# Altium PCB C210.PcbDoc (part 3 of 8)
Units mm, origin at the board's own origin, x right, y up, seen from the top; angles counter-clockwise.
Board outline 68 x 129.25 mm, 6 copper layers (L1, L2, L3, L4, L5, L6), stack 1.547 mm thick; 512 components, 298 nets, 1774 pads, 1892 vias.
Unrouted connection lines stored in the file: 306.
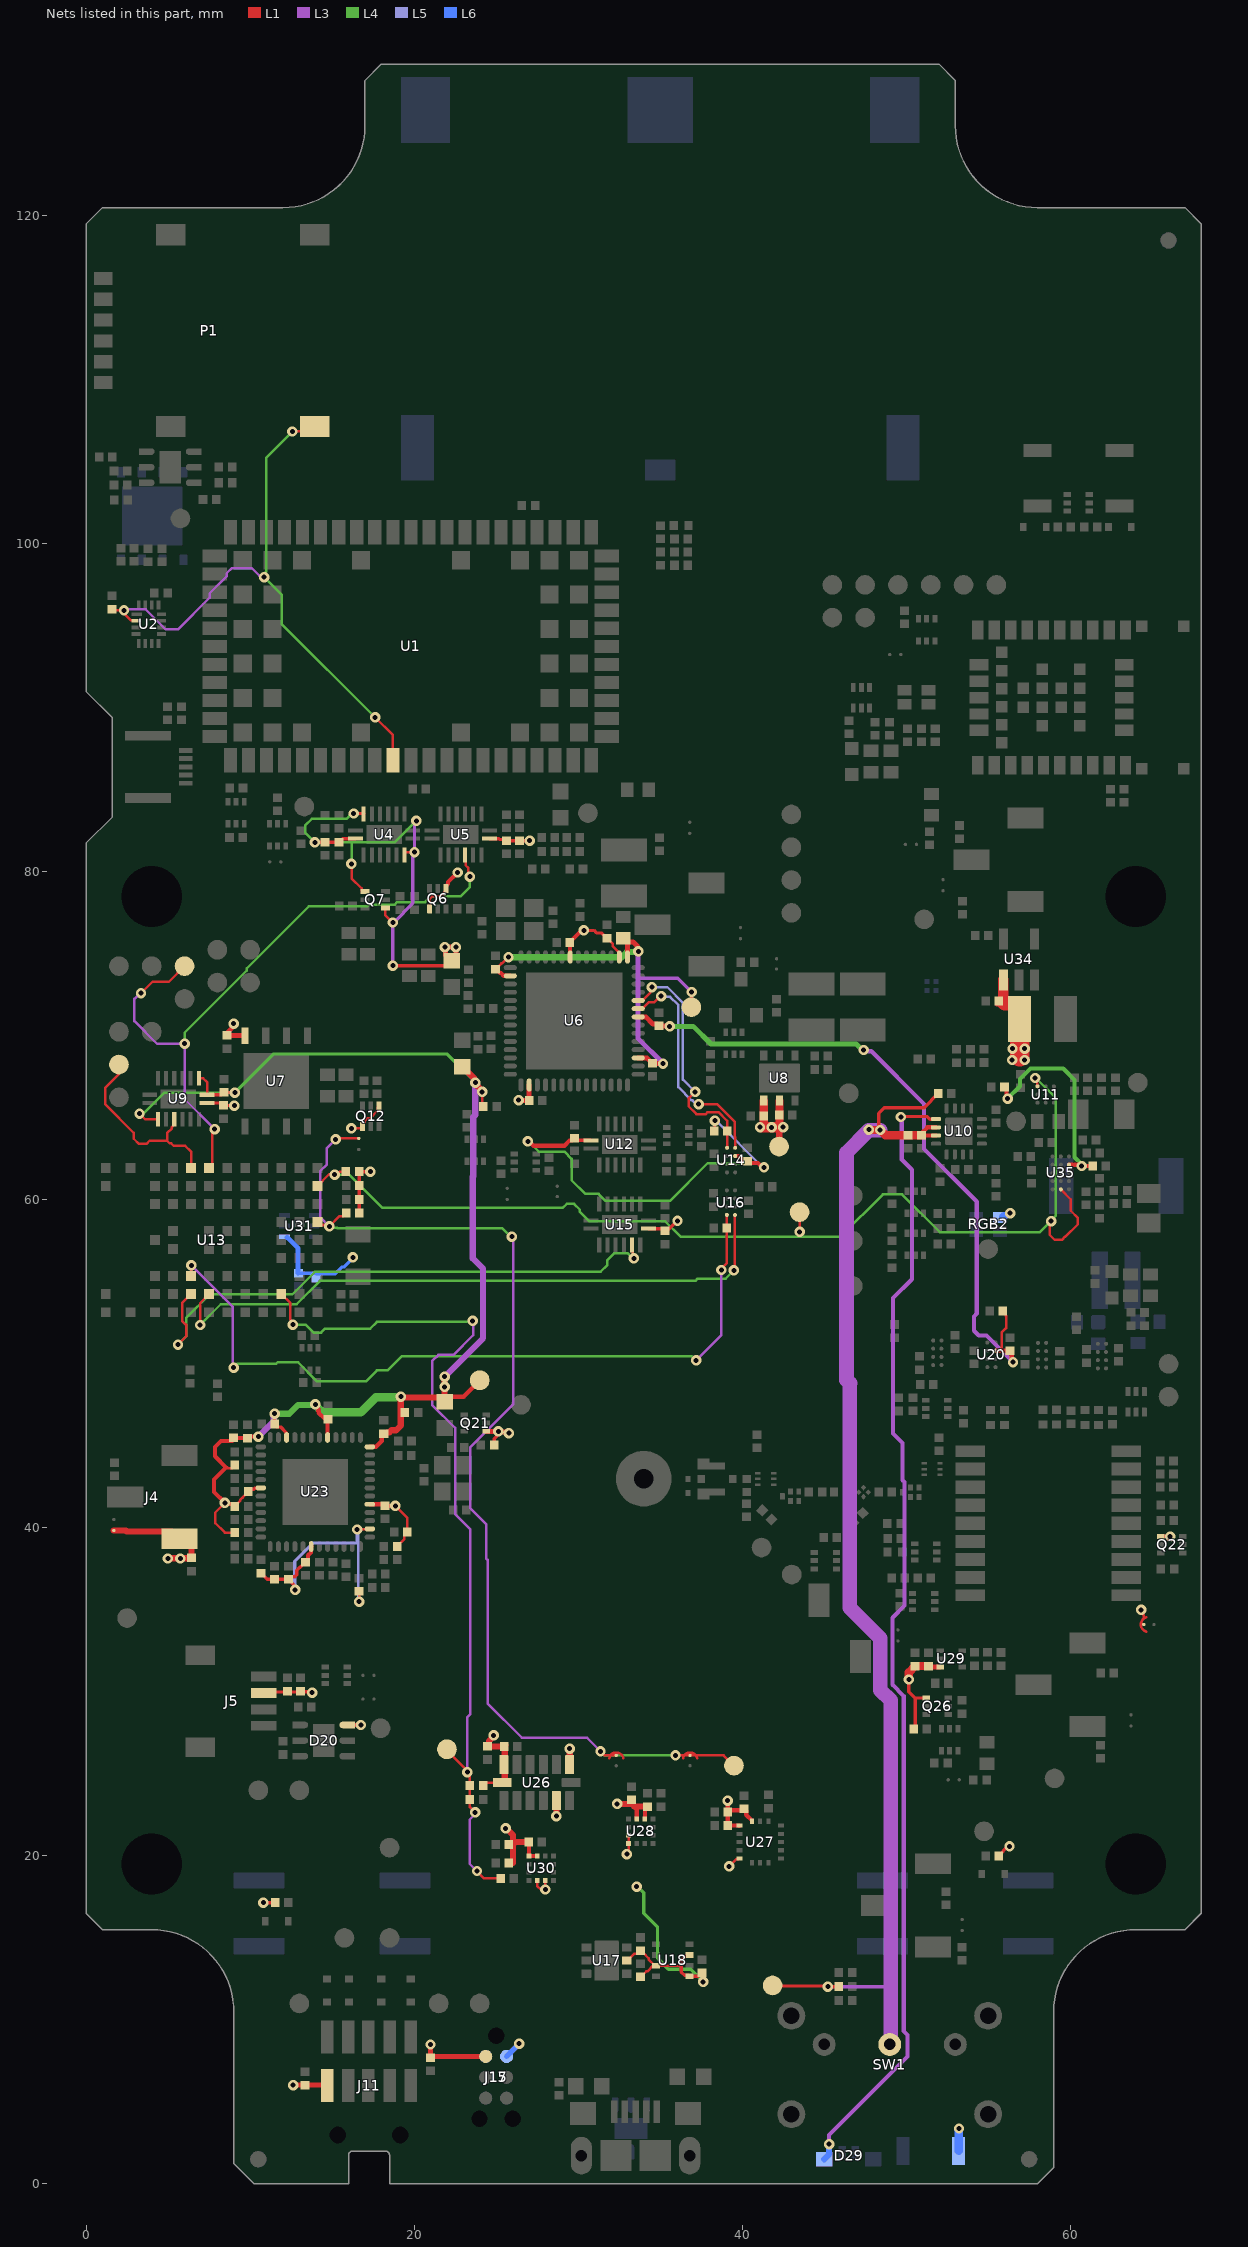
[diagram p7: the nets of this part, all layers, seen from the top]

## Part data (continued)
U28: "SENSOR, MAGNETOMETER, I2C, 3-AXIS, 1.9-3.6V, SMT, LGA-12, 2mmX2mm", Current=None, Manufacturer 1="ST Micro", Max Operating Temp=85, MFG Package=LGA-12, Min Operating Temp=-40, Voltage=1.9-3.6V, Body Size="2mm x 2mm", Height=1mm, Item Phase="In Production", Manufacturer Part Number 1=LIS3MDL, Part Name=LIS3MDL, Part Number=LIS3MDL, Pins=12, Revision=0A, UBX Code=None, Use in new designs=Yes
U29: "LDO, 3.0V, 200mA, SOT-5", Current=200mA, Manufacturer 1="Toshiba Semiconductor and Storage", Manufacturer 2=None, Manufacturer Part Number 1=TCR2LE30,LM(CT, Max Operating Temp=85, MFG Package=SOT-553, Min Operating Temp=-40, Part Name=TCR2LE30, Supplier Part Number 1=TCR2LE30LM(CTCT-ND, Voltage=6.0V, Body Size="2.9mm x 1.6mm", Height=1.3mm, Item Phase=Unreleased, Manufacturer Part Number 2=None, Part Number=260-00027, Pins=5, Reg Outputs=1xLDO, Revision=None, SMT Pitch=None, Supplier 1=Digi-Key, Supplier 2=None, Supplier Part Number 2=None, Thermal Pad=No, UBX Code=None, Use in new designs=Yes
U30: "Accelerometer, 2G-16G Max, 12bit, LGA-12", Manufacturer=STMicroelectronics, Manufacturer P/N=LIS2DH12TR, MFG Package="12-LGA (2x2)", Package Type=LGA, Part Name=LIS2DH12, Supplier Part Number 1=497-14851-1-ND, Voltage=3.6V, Accuracy=1mg/digit, Arena Link=https://app.bom.com/a/I0JRX4N4N65KM89I?v=spec.summary, Bit Resolution=12, Body Size="2mm x 2mm", Component Mounting Type=SMT, Controller Interface=I2C/SPI, Height=1mm, Item_Phase=Production, Part Number=250-00008, Part_Type="Active Sensor", Pins=12, Revision=0A, Sensor Range Max=+/-16g, Sensor Range Min=+/-2g, Sensor Type=Accelerometer, SMT Pitch=0.5mm, Supplier 1=Digi-Key, Use in new designs=Yes
U31: "SENSOR, AMBIENT LIGHT, I2C, SMT, GNSS, DFN-6 2mmX2mm", Current=None, Manufacturer 1=Lite-On, Max Operating Temp=85, MFG Package=QCS5P, Min Operating Temp=-40, Part Name=B39162B4353P810, Voltage=N/A, Body Size="1.4mm x 1.1mm", Height=0.45mm, Item Phase="In Production", Manufacturer Part Number 1=LTR-303ALS-01, Part Number=LTR-303ALS-01, Pins=5, Revision=0A, UBX Code=None, Use in new designs=Yes
U32 U33: "RF SWITCH, SPDT, I2C, 3-AXIS, 3-5V, 1-6GHz, SMT, DFN-6, 1mmX1mm", Current=None, Manufacturer 1="ST Micro", Max Operating Temp=85, MFG Package=LGA-12, Min Operating Temp=-40, Part Name=LIS3MDL, Voltage=1.9-3.6V, Body Size="2mm x 2mm", Height=1mm, Item Phase="In Production", Manufacturer Part Number 1=SKY13585-679LF:, Part Number=SKY13585-679LF:, Pins=12, Revision=0A, UBX Code=None, Use in new designs=Yes
U34: library part FPF2104, "Load Switch, 400mA, 1.8-5.5V, Active High Enable, SOT-23-5", Current=None, Manufacturer 1=onsemi, Max Operating Temp=85, MFG Package=SOT-23-5, Min Operating Temp=-40, Voltage=5.5V, Body Size=SOT-23-5, Height=1.2mm, Item Phase="In Production", Manufacturer 2=None, Manufacturer Part Number 1=FPF2104, Manufacturer Part Number 2=None, Pins=5, Revision=0A, Supplier 2=None, Supplier Part Number 2=None, UBX Code=None, Use in new designs=Yes
U35: library part BQ27520, "IC, SMT, BATTERY GAUGE, INGLE CELL Li-ION, COULOMB COUNTER, DSBGA-15 2.6mmX2.0mm", Current=None, Manufacturer 1="Texas Instruments", Manufacturer Part Number 2=BQ27520YZFR-G3, Max Operating Temp=85, MFG Package=DSBGA-15, Min Operating Temp=-40, Part Name=BQ27520-G4, Voltage=N/A, Body Size="2.6mm x 2.0mm", Height=0.65mm, Item Phase="In Production", Manufacturer 2="Texas Instruments", Manufacturer Part Number 1=BQ27520YZFR-G4, Part Number=BQ27520YZFR-G4, Pins=15, Revision=0A, UBX Code=None, Use in new designs=Yes
X1: "XTAL, 2Pin, 32.768kHz, 7pF 20ppm", Frequency=32.768kHz, Frequency Tolerance=20ppm, Manufacturer 1=Epson, Manufacturer 2="AVX Corporation", Manufacturer Part Number 1="FC-135 32.7680KA-AG3", Manufacturer Part Number 2=ST3215SB32768C0HPWBB, MFG Package=2-SMD, Part Name="XTAL 32.768kHz 7pF 20ppm 3215", Supplier Part Number 1=SER4086CT-ND, Arena Link=https://app.bom.com/a/L3MU07Q7Q98O5PC8?v=spec.summary, Body Size="3.2mm x 1.5mm", CL=7pF, Component Mounting Type=SMT, Height=0.9mm, Item_Phase=Production, Part Number=100-00005, Part_Type=Crystal/Oscillator, Pins=2, Revision=0C, Supplier 1=Digi-Key, Supplier 2=Digi-Key, Supplier Part Number 2=1253-1113-1-ND, Use in new designs=Yes
X2: "Crystal, 24.0000MHz, 20ppm, 10pF, 100 Ohm, -20Â°C - 70Â°C, SMT 4 Pin 2520", Manufacturer 1="Abracon LLC", Manufacturer 2="Raltron Electronics", Manufacturer Part Number 1=ABM10-24.000MHZ-E20-T, Manufacturer Part Number 2=R2520-24.000-10-1010-TR-NS4, Max Operating Temp=70, MFG Package=2520, Min Operating Temp=-20, Part Name="XTAL 24MHz 10pF 20ppm 2520", Supplier Part Number 1=535-9093-1-ND, Voltage=None, Body Size="2.5mm x 2.0mm", Height=0.7mm, Item Phase=Unreleased, Part Number=100-00017, Pins=4, Revision=None, Supplier 1=Digi-Key, Supplier 2=None, Supplier Part Number 2=None, UBX Code=None, Use in new designs=Yes
X3: "12MHz ±10ppm Crystal 8pF 125 Ohm -40°C ~ 85°C Surface Mount 4-SMD, No Lead", Manufacturer 1="Abracon LLC", Manufacturer 2=None, Manufacturer Part Number 1=ABM10-167-12.000MHZ-T3, Max Operating Temp=85, MFG Package=4-SMD, Min Operating Temp=-40, Part Name="XTAL 12MHz, 8pF, 30ppm", Supplier Part Number 1=535-13521-1-ND, Body Size="2.5mm X 2.0mm", Height=0.7mm, Item Phase=Unreleased, Manufacturer Part Number 2=None, Part Number=100-00033, Pins=4, Revision=None, Supplier 1=Digi-Key, Supplier 2=None, Supplier Part Number 2=None, UBX Code=None, Use in new designs=Yes, Voltage=None

## Free pads (board coordinates)
  rect 0.8x0.3 on Top Overlay: 4(15.525,3.975)

## Via types
v1: diameter 0.635, hole 0.305, L1 to L6, tented both sides, 1892 vias

## Nets (pads, with @x,y where several pads share a name; then routed paths per layer and width w, separated by ;. In a path a pad name is that pad's centre, name@x,y a point inside that pad or via, vN(x,y) a via of type N, cw(c..) or ccw(c..) an arc to the next point about the centre after c; other vN are vias at no path point)
1V8: C38.2 C40.2 C143.1 TP25.1 U6.2 U6.31 U6.43 | length 26.2
  L1 w0.152: C38.2@24.975,74.075 24.99,74.075 25.327,74.412 25.365,74.412 25.75,74.796 v1(25.753,74.796)
  L1 w0.203: TP25.1@36.902,71.748 36.909,71.756 36.909,72.664 v1(36.917,72.672)
  L1 w0.254: C38.2@24.99,74.075 25.23,73.835 25.299,73.835 25.467,73.666 25.855,73.666 U6.2@25.864,73.658
  L1 w0.305: C143.1@32.7,75.908 C143.1@32.775,75.908 ; C143.1@32.754,75.95 32.976,75.727 33.356,75.727 33.623,75.46 33.623,75.202 v1(33.668,75.157) ; U6.43@33.014,74.808 C143.1@33.014,75.669 ; U6.31@33.664,68.658 33.666,68.655 34.191,68.655 34.402,68.444 34.402,68.431 34.495,68.339 C40.2@34.51,68.339 ; C40.2@34.525,68.324 34.537,68.312 35.161,68.312 v1(35.173,68.3)
  L3 w0.203: 33.638,73.519 36.07,73.519 v1(36.917,72.672)
  L3 w0.305: v1(33.668,75.157) 33.638,75.128 33.638,73.519 33.638,69.859 35.173,68.324 v1(35.173,68.3)
  L4 w0.381: v1(25.753,74.796) 32.658,74.796 32.97,75.109 33.619,75.109 v1(33.668,75.157)
2V5: C148.2 R75.1 U35.D1 | length 13.1
  L1 w0.254: R75.1@55.997,66.878 56.118,66.758 56.118,66.248 v1(56.191,66.175) ; U35.D1@59.93,62.142 60.007,62.142 60.011,62.138 60.622,62.138 v1(60.695,62.065) 60.698,62.067 61.373,62.067 C148.2@61.375,62.07
  L4 w0.254: v1(56.191,66.175) 56.944,66.928 56.944,67.363 57.58,68 59.577,68 60.263,67.314 60.263,62.6 60.695,62.168 v1(60.695,62.065)
3V3: BTN3.2 C22.2 C27.1 C39.2 C48.2 C52.1 C53.2 C66.2 C71.1 C72.2 C82.1 C94.2 C109.1 C110.1 C111.1 C112.2 C114.2 C115.2 C116.1 C119.1 C120.1 C124.1 C125.1 C126.1 C127.1 C131.2 C135.1 C136.1 C137.2 C138.2 C141.1 D20.6 J4.3 J5.2 J11.1 J15.1 J17.1 NC9.2 NO2.1 Q6.1 Q6.4 Q12.1 Q12.4 Q21.4 Q22.4 Q26.4 R50.1 R53.2 R57.1 R58.2 R77.2 R90.1 R112.1 R116.1 R122.2 R123.2 RGB2.4 TP30.1 U5.16 U7.8 U8.4 U8.5 U9.16 U15.16 U17.5 U18.2 U18.6 U18.8 U26.1 U26.6 U26.7 U26.12 U27.1 U27.5 U27.16 U28.5 U28.6 U28.9 U28.10 U29.3 U30.2 U30.3 U30.9 U30.10 U31.1 U34.1 | length 109.4
  L1 w0.15: v1(39.203,19.364) 39.628,19.79 39.785,19.79 U27.5@39.835,19.84
  L1 w0.152: C39.2@8.6,70.025 C39.2@8.625,70.05 ; U7.8@9.66,70.025 U7.8@9.68,70.005 ; v1(16.171,64.363) 16.781,64.363 16.855,64.437 16.855,64.6 17.001,64.747 17.001,64.825 17.143,64.967 17.3,64.967 17.781,65.448 17.781,65.651 Q12.4@17.855,65.725 ; Q6.1@20.942,77.749 20.942,78.335 21.127,78.521 21.667,78.521 21.795,78.648 21.795,78.727 21.942,78.874 Q6.4@21.942,78.999 ; R112.1@24.2,24.3 24.367,24.467 U26.7@25.377,24.467 ; U30.2@27.5,18.5 27.5,18.175 27.725,17.95 v1(28,17.95) U30.3@28,18.5 ; U17.5@32.964,13.613 33.014,13.613 33.439,14.039 33.619,14.039 C71.1@33.803,14.222 33.986,14.039 34.011,14.039 34.291,13.759 34.291,13.681 U18.2@34.669,13.303 ; v1(32.969,20.099) 33.001,20.099 33.075,20.173 U28.10@33.075,20.75 U28.9@33.075,21.25 ; R77.2@33.803,12.625 33.818,12.625 34.154,12.962 34.225,12.962 34.566,13.303 U18.2@34.669,13.303 ; 36.295,13.272 36.263,13.303 U18.2@34.744,13.303 U18.2@34.669,13.303 ; 64.334,34.245 64.473,34.106 NO2.1@64.486,34.106 ; v1(64.334,35.004) 64.465,34.873 64.465,34.702 64.494,34.674 64.494,34.477
  L1 w0.203: U9.16@7.375,65.908 8.225,65.908 C48.2@8.375,65.758 8.379,65.754 9.039,65.754 v1(9.043,65.75) ; v1(10.802,17.15) R123.2@11.538,17.15 ; J5.2@10.825,29.931 10.884,29.99 C138.2@12.349,29.99 ; C138.2@12.275,30.049 12.29,30.049 C138.2@12.349,29.99 ; C138.2@12.448,29.891 C138.2@12.349,29.99 ; v1(13.778,29.946) 13.727,29.998 13.116,29.998 C115.2@13.065,30.049 13.006,29.99 C138.2@12.349,29.99 ; R50.1@16.65,61.736 R50.1@16.659,61.727 ; R57.1@16.653,59.2 R58.2@16.653,60.029 R53.2@16.653,60.875 16.653,61.72 R50.1@16.659,61.727 ; v1(17.331,61.715) 16.671,61.715 R50.1@16.659,61.727 ; U5.16@24.597,82.025 25.172,82.025 25.222,81.975 25.547,81.975 C27.1@25.622,81.9 v1(27.045,81.9) ; R90.1@24.876,45.05 24.876,45.426 25.098,45.648 25.098,45.888 v1(25.132,45.888) ; U15.16@34.286,58.242 35.162,58.242 C66.2@35.301,58.104 35.44,58.243 35.46,58.223 35.567,58.223 36.058,58.714 36.058,58.717 v1(36.061,58.717) ; U18.6@36.794,13.953 36.72,13.88 36.548,13.88 36.295,13.626 36.295,13.272 36.295,12.918 36.486,12.727 36.72,12.727 U18.8@36.794,12.653 37.314,12.653 37.524,12.863 C72.2@37.539,12.863 37.583,12.819 37.583,12.366 v1(37.627,12.322) ; v1(50.168,30.754) 50.168,30.007 50.55,29.625 ; R116.1@50.45,27.75 50.55,27.85 50.55,29.625 ; Q26.4@51.225,29.625 50.55,29.625 ; C94.2@55.526,71.898 56.229,71.898 C111.1@56.303,71.972 ; R122.2@55.65,20 55.65,20.015 56.21,20.575 v1(56.3,20.575) ; Q22.4@65.513,39.479 66.096,39.479 v1(66.1,39.475)
  L1 w0.254: D20.6@16.016,27.981 v1(16.75,27.981) ; Q6.4@21.942,78.999 21.942,79.124 22.075,79.257 22.075,79.377 v1(22.658,79.961) ; C125.1@26.975,20.85 27,20.825 U30.10@27,20 U30.9@27.5,20 ; C112.2@33.244,23.167 33.402,23.009 33.575,22.836 U28.6@33.575,22.25 ; U28.5@34.075,22.25 34.075,22.844 C114.2@34.24,23.009 ; C116.1@39.116,22.682 C116.1@39.118,22.684 ; v1(39.12,23.37) 39.118,23.368 C116.1@39.118,22.684 ; U27.1@39.835,21.84 39.789,21.84 39.779,21.85 C127.1@39.116,21.85 39.118,21.852 C116.1@39.118,22.684 ; C141.1@40.1,22.879 40.004,22.784 39.217,22.784 C116.1@39.118,22.684 ; C141.1@40.115,22.879 40.248,22.746 40.248,22.503 40.6,22.151 U27.16@40.6,22.105
  L1 w0.305: C39.2@8.6,70.025 U7.8@9.66,70.025 ; C39.2@8.625,70.05 8.612,70.062 8.612,70.195 9,70.583 v1(9,70.75) ; v1(12.625,6.025) C131.2@13.35,6.025 14.685,6.025 J11.1@14.71,6 ; v1(21,8.5) C137.2@21,7.7 21.07,7.77 J15.1@24.365,7.77 ; Q21.4@24.403,45.888 v1@25.098,45.888 ; v1(25.132,45.888) 25.187,45.834 25.718,45.834 v1(25.772,45.779) ; C120.1@51.35,31.625 51.469,31.506 U29.3@52.075,31.506
  L1 w0.381: NC9.2@1.689,39.834 2.43,39.834 2.482,39.783 5.24,39.783 J4.3@5.685,39.338 5.977,39.338 6.421,38.894 C82.1@6.421,38.167 6.403,38.149 4.997,38.149 v1(4.979,38.131) ; v1(24.85,27.35) 24.85,27.281 24.56,26.991 24.56,26.744 24.49,26.675 C109.1@24.475,26.675 24.479,26.671 25.521,26.671 C110.1@25.525,26.675 ; U26.7@25.377,24.467 25.525,24.615 25.525,26.667 C110.1@25.515,26.667 ; C110.1@25.475,26.691 25.509,26.691 C110.1@25.569,26.751 ; v1(25.575,21.675) 25.625,21.675 26.021,21.279 C124.1@26.021,20.69 ; C126.1@26.021,19.575 C124.1@26.021,20.69 ; C125.1@26.975,20.85 26.181,20.85 C124.1@26.021,20.69 ; v1(28.675,22.418) U26.12@28.675,23.37 ; U26.1@29.475,25.565 29.488,25.577 29.488,26.535 v1(29.488,26.536) ; v1(32.375,23.167) C112.2@33.244,23.167 ; 33.402,23.009 C114.2@34.24,23.009 ; v1(41.09,64.436) 41.184,64.436 v1@41.325,64.578 ; TP30.1@42.257,63.171 42.257,64.194 v1(42.5,64.436) 42.416,64.436 v1@42.275,64.578
  L1 w0.508: v1@41.325,64.578 C52.1@41.325,65.125 U8.4@41.325,66.05 ; v1@42.275,64.578 U8.5@42.275,66.05 ; v1(50.168,30.754) 50.168,31.193 C119.1@50.55,31.575 C120.1@51.35,31.575
  L1 w0.635: v1@41.184,64.436 v1@42.416,64.436 ; 55.925,72.092 U34.1@55.925,73.408
  L1 w0.889: 55.925,72.092 56.024,71.994 56.665,71.994 56.92,71.738 C111.1@56.92,71.038 C111.1@56.656,71.303 ; 56.85,68.671 56.92,68.741
  L1 w1.2: 56.92,68.741 C111.1@56.92,71.038
  L3 w0.203: v1(27.045,81.9) v1@27.15,81.9
  L4 w0.203: v1(33.566,18.128) 33.625,18.128 34,17.753 34,16.5 34.842,15.658 34.842,13.75 35.506,13.087 36.862,13.087 v1(37.627,12.322)
  L6 w0.203: C136.1@12.925,55.525 C136.1@12.95,55.525 14.025,55.525 14.025,55.475 15.167,55.475 15.595,55.902 15.712,55.902 16.259,56.45 v1(16.259,56.494)
  L6 w0.305: U31.1@12.26,57.711 12.925,57.046 C136.1@12.925,55.525 ; J17.1@25.635,7.77 v1@26.389,8.524
  L6 w0.381: RGB2.4@55.849,58.969 55.94,59.06 56.142,59.06 56.267,59.184 v1(56.335,59.184)
  L6 w0.508: BTN3.2@53.2,2 53.2,3.35 v1(53.225,3.375)
  other v1: 26.4,8.55 5.749,38.131 41.8,64.422 56.469,68.525 57.231,68.525 56.485,69.223 57.224,69.223
3V3_HUB: C20.1 C21.2 C43.2 C44.2 C46.1 C49.2 C50.2 C51.2 C65.2 C78.2 C83.1 C84.1 C85.1 C87.1 C91.1 C101.1 C108.1 FB2.1 FB11.2 FB12.2 Q7.1 Q7.4 R8.2 R9.1 R26.2 R29.2 R30.1 R45.1 R59.1 R69.1 R91.2 R94.1 R95.1 R99.1 R102.1 R127.1 TP34.1 U4.1 U4.7 U4.15 U6.16 U6.36 U6.44 U6.50 U9.1 U9.2 U9.10 U12.16 U14.B2 U20.B2 U23.5 U23.10 U23.18 U23.30 U23.38 U23.41 U23.48 | length 226.1
  L1 w0.152: v1(3.254,65.258) 3.604,64.908 U9.10@4.375,64.908 ; U9.2@6.875,67.408 7.142,67.408 7.375,67.175 U9.1@7.375,66.408 ; v1(8.463,41.524) 8.45,41.538 8.45,41.511 7.875,40.936 7.875,40.294 8.463,39.706 R30.1@9.075,39.706 ; 8.54,43.687 8.601,43.626 8.891,43.626 9.075,43.81 R91.2@9.075,43.825 ; R8.2@8.912,45.287 R8.2@9.075,45.45 ; R94.1@9.075,41.309 9.075,41.324 9.412,41.661 9.412,41.722 9.538,41.849 9.538,41.856 9.875,42.193 C108.1@9.875,42.202 ; R26.2@9.825,45.475 R26.2@9.917,45.567 ; v1(16.168,80.486) 16.193,80.461 16.193,79.607 16.801,78.999 16.801,78.874 16.875,78.8 Q7.4@17,78.8 ; v1(16.531,39.898) 16.551,39.917 17.28,39.917 U23.38@17.3,39.937 ; v1(16.65,35.5) R127.1@16.65,36.13 ; Q7.1@18.25,77.8 18.25,77.34 18.68,76.91 v1(18.7,76.91) ; v1(18.855,41.339) 19.589,40.605 R102.1@19.589,39.734 19.405,39.55 19.405,39.321 18.961,38.877 R9.1@18.961,38.862 ; U4.7@19.422,81.025 19.422,81.174 19.451,81.203 v1(20.022,81.203) ; v1@20.096,83.151 v1(20.139,83.108) ; v1(24.15,66.588) 24.15,65.775 R45.1@24.225,65.7 ; C50.2@31.75,75.964 31.765,75.964 32.1,75.628 32.1,75.47 32.514,75.057 U6.44@32.514,74.808 ; R59.1@38.3,64.2 38.341,64.241 v1(38.341,64.826) ; 55.82,50.8 55.82,51.908 56.09,52.177 56.09,52.937 56.087,52.94 56.087,53.041 R69.1@55.903,53.225
  L1 w0.203: U9.1@7.375,66.408 8.249,66.408 C46.1@8.399,66.558 8.409,66.547 9.058,66.547 v1(9.068,66.537) ; C108.1@9.875,42.187 C108.1@9.875,42.193 ; C108.1@9.875,42.202 10.033,42.361 10.215,42.361 10.273,42.419 10.631,42.419 U23.18@10.65,42.437 ; R99.1@10.654,37.242 10.669,37.242 10.92,36.991 10.92,36.976 11.039,36.857 R29.2@11.5,36.857 R95.1@12.338,36.857 ; v1(11.49,46.964) 11.495,46.96 11.495,46.328 C87.1@11.5,46.323 11.5,46.308 11.658,46.15 11.869,46.15 12.206,45.812 12.206,45.531 U23.10@12.225,45.512 ; v1(12.747,36.221) 12.664,36.303 12.664,36.546 12.353,36.857 R95.1@12.338,36.857 ; C91.1@13.39,37.9 13.375,37.9 13.064,37.589 13.021,37.589 12.846,37.413 12.846,37.134 12.727,37.015 12.497,37.015 R95.1@12.338,36.857 ; v1(13.947,81.8) C20.1@14.576,81.8 C21.2@15.425,81.8 15.65,82.025 U4.1@16.422,82.025 ; v1(16.313,83.557) 16.899,83.557 16.922,83.534 U4.15@16.922,83.525 ; v1(18.701,74.284) 22.056,74.284 FB12.2@22.264,74.492 ; C51.2@29.77,63.771 29.91,63.631 U12.16@30.786,63.631 ; v1(30.346,76.437) 30.358,76.425 30.969,76.425 31.119,76.275 31.424,76.275 31.735,75.964 C50.2@31.75,75.964
  L1 w0.254: v1@8.45,41.538 7.805,42.183 7.805,42.951 8.54,43.687 7.859,44.368 7.859,44.922 8.225,45.287 R8.2@8.912,45.287 ; v1(8.463,41.524) 8.536,41.452 8.974,41.452 R94.1@9.075,41.35 ; R8.2@9,45.474 R26.2@9.825,45.474 ; R26.2@9.917,45.567 v1(10.5,45.567) ; C91.1@13.39,37.9 13.406,37.9 13.538,38.033 13.538,38.327 13.716,38.505 13.716,38.853 U23.30@13.725,38.862 ; v1(13.975,47.525) 13.975,47.422 14.153,47.244 14.153,47.123 14.184,47.092 14.184,47.016 14.566,46.634 C83.1@14.739,46.634 14.725,46.621 U23.5@14.725,45.647 ; U23.41@17.3,41.437 18.056,41.437 C85.1@18.164,41.329 ; U23.48@17.3,44.937 17.309,44.946 17.684,44.946 18.026,45.287 18.026,45.617 18.157,45.748 C101.1@18.239,45.748 ; C85.1@18.228,41.329 18.247,41.348 18.252,41.342 18.851,41.342 v1(18.855,41.339) ; FB2.1@21.856,47.788 22.067,47.999 23.025,47.999 TP34.1@23.997,48.971 ; v1(26.934,63.563) 26.934,63.604 26.965,63.604 27.273,63.296 29.158,63.296 29.481,63.619 29.641,63.619 29.77,63.748 C51.2@29.77,63.771 ; C49.2@29.496,75.705 29.505,75.697 29.505,74.816 U6.50@29.514,74.808 ; C49.2@29.496,75.72 30.14,76.364 30.273,76.364 v1(30.346,76.437) ; U14.B2@39.579,62.675 39.803,62.675 40.028,62.45 40.225,62.45 C65.2@40.311,62.363 40.433,62.242 40.967,62.242 41.229,61.981 v1(41.332,61.981) ; U20.B2@55.45,50.8 55.82,50.8 56.191,50.8 56.2,50.809 C78.2@56.215,50.809 ; C78.2@56.338,50.803 56.441,50.701 56.441,50.179 v1(56.513,50.106)
  L1 w0.305: FB2.1@21.856,47.75 FB2.1@21.856,47.788 ; v1(26.375,66.078) 26.392,66.061 27.014,66.061 C43.2@27.016,66.059 ; U6.16@27.014,67.008 27.016,67.005 C43.2@27.016,66.059 ; C43.2@27.025,66.05 C43.2@27.016,66.059 ; U6.36@33.664,71.158 34.125,71.158 34.566,70.716 34.816,70.716 C44.2@34.924,70.609 34.941,70.592 35.565,70.592 v1(35.582,70.575) ; v1(21.873,75.409) 21.911,75.371 21.911,74.924 22.257,74.578 FB12.2@22.282,74.578 22.549,74.846 22.549,75.382 22.523,75.409 v1(21.873,75.409)
  L1 w0.381: C101.1@18.239,45.748 18.308,45.817 18.493,45.817 18.62,45.945 18.899,45.945 19.189,46.234 v1(19.189,47.999) 19.257,47.999 19.306,47.95 21.656,47.95 FB2.1@21.856,47.75 ; FB2.1@21.856,47.788 v1(21.856,49.221) ; FB11.2@22.925,68.125 22.95,68.125 23.682,67.393 23.682,67.124 24.15,66.656 v1(24.15,66.588)
  L3 w0.152: v1(18.7,76.91) v1@18.755,76.91 ; v1@19.922,81.103 v1(20.022,81.203) ; v1@20.022,82.86 20.139,82.977 v1(20.139,83.108)
  L3 w0.203: v1@18.7,74.284 v1(18.7,76.91) ; v1@18.755,76.91 19.922,78.077 v1@19.922,81.103 ; v1(20.022,81.203) v1@20.022,82.86
  L3 w0.254: v1(47.406,69.137) 47.479,69.064 47.871,69.064 51.091,65.844 51.091,63.103 54.305,59.888 54.305,53.068 54.133,52.896 54.133,52.021 54.429,51.725 54.895,51.725 v1(56.513,50.106)
  L3 w0.381: v1(10.5,45.567) 11.442,46.509 11.442,46.916 v1(11.49,46.964) ; v1@21.856,49.221 24.204,51.569 24.204,55.792 23.569,56.427 23.569,61.403 23.607,61.441 23.607,65.046 23.73,65.17 23.73,66.621 ; v1(23.73,67.142) 23.73,66.621 ; v1(24.15,66.588) 24.117,66.621 23.73,66.621
  L4 w0.152: v1(3.254,65.258) 3.498,65.258 4.777,66.537 v1(9.068,66.537) ; v1(16.168,80.486) 16.2,80.518 16.2,81.8 ; v1(16.313,83.557) 16.193,83.557 15.867,83.231 13.757,83.231 13.356,82.831 13.356,82.391 v1(13.947,81.8) 16.2,81.8 ; v1(20.139,83.108) 20.105,83.108 18.797,81.8 16.2,81.8 ; v1(26.934,63.563) 26.977,63.563 27.6,62.94 29.158,62.94 29.602,62.496 29.602,61.197 30.439,60.361 31.25,60.361 31.669,59.942 35.609,59.942 37.899,62.233 41.001,62.233 41.253,61.981 v1(41.332,61.981)
  L4 w0.203: v1(9.068,66.537) 11.426,68.895 21.983,68.895 23.598,67.279 23.598,67.11 v1@23.698,67.11 ; v1@23.648,67.06 v1@23.698,67.11 ; v1(23.73,67.142) v1@23.698,67.11 ; v1(24.15,66.588) 24.15,66.656 23.698,67.108 v1@23.698,67.11
  L4 w0.305: v1@35.573,70.583 37.013,70.583 38.096,69.5 46.953,69.5 47.316,69.137 v1(47.406,69.137)
  L4 w0.381: v1(11.49,46.964) 11.505,46.95 12.379,46.95 12.894,47.465 12.896,47.465 12.927,47.496 13.945,47.496 v1(13.975,47.525)
  L4 w0.508: v1(13.975,47.525) 13.975,47.491 14.332,47.134 14.332,47.047 16.745,47.047 17.661,47.962 18.865,47.962 18.877,47.975 19.164,47.975 v1(19.189,47.999)
  L5 w0.152: v1(16.531,39.898) 16.588,39.841 16.588,35.562 v1(16.65,35.5) ; v1(38.341,64.826) 38.414,64.826 41.259,61.981 v1(41.332,61.981)
  L5 w0.203: v1(12.747,36.221) 12.725,36.243 12.725,37.965 13.839,39.079 16.575,39.079 ; 16.526,39.126 16.526,39.893 v1(16.531,39.898)
  other v1: 21.856,48.6 22.549,75.409
ACCEL_INT: R111.2 R112.2 R114.2 TP38.1 U13.C8 | length 53.8
  L1 w0.152: U13.C8@11.9,54.25 12.45,53.7 12.45,52.675 12.672,52.453 v1(12.608,52.389) ; TP38.1@22,26.5 22,26.425 23.25,25.175 v1(23.25,25.1) ; v1@23.4,25.1 R112.2@23.4,24.3 R111.2@23.4,23.45 23.4,22.974 v1(23.725,22.649) ; v1(23.833,19.075) 23.833,19.042 24.25,18.625 R114.2@25.275,18.625
  L3 w0.152: v1(23.25,25.1) 23.25,28.464 23.425,28.639 23.425,39.904 22.494,40.835 22.494,46.106 21.1,47.5 21.1,50.162 21.484,50.546 22.392,50.546 23.592,51.745 23.592,52.599 v1(23.569,52.623) ; v1(23.725,22.649) 23.725,22.542 23.392,22.209 23.392,19.516 v1(23.833,19.075)
  L4 w0.152: v1(12.608,52.389) 13.387,52.389 13.814,51.962 ; 13.815,51.963 13.874,51.904 14.326,51.904 14.572,52.15 17.325,52.15 17.733,52.558 23.503,52.558 v1(23.569,52.623)
ALT_INT: NC7.2 NO4.2 NO5.2 R57.2 TP32.1 U13.A4 | length 68.5
  L1 w0.152: v1(14.825,58.388) 15.429,58.992 R57.2@15.719,58.992 ; v1(15.215,63.692) 15.273,63.75 16.621,63.75 NC7.2@16.625,63.746 ; v1(31.364,26.377) 31.616,26.125 31.972,26.125 NO4.2@32.326,26.125 ; v1(35.934,26.125) 36.472,26.125 NO5.2@36.825,26.125 37.178,26.125 38.875,26.125 TP32.1@39.5,25.5 TP32.1@39.525,25.475
  L1 w0.203: U13.A4@14.1,58.65 14.28,58.47 14.742,58.47 v1(14.825,58.388)
  L3 w0.152: v1(14.825,58.388) 14.27,58.943 14.27,61.743 14.675,62.148 14.675,63.15 15.215,63.69 v1(15.215,63.692) ; v1(25.961,57.756) 26.034,57.684 26.034,47.527 23.408,44.901 23.408,41.214 24.412,40.211 24.412,38.112 24.475,38.049 24.475,29.295 26.571,27.2 30.541,27.2 v1(31.364,26.377)
  L4 w0.152: v1(14.825,58.388) 14.917,58.295 15.31,58.295 15.323,58.282 25.358,58.282 25.884,57.756 v1(25.961,57.756) ; v1(31.364,26.377) 31.616,26.125 v1(35.934,26.125)
CARD_DET: P1.SW R1.1 U1.42 U2.2 | length 38.6
  L1 w0.152: R1.1@1.575,96.025 1.652,95.948 v1(2.308,95.948) ; v1@2.308,95.95 2.401,95.858 2.401,95.663 2.73,95.334 3.002,95.334 U2.2@3.036,95.3 ; v1(12.575,106.85) 13.72,106.85 P1.SW@14.02,107.15 ; v1(17.622,89.425) 18.7,88.347 U1.42@18.7,86.8
  L3 w0.152: v1(2.308,95.948) 2.362,96.002 3.633,96.002 4.856,94.779 5.604,94.779 7.54,96.715 7.54,96.99 8.567,98.017 8.567,98.205 8.886,98.525 10.1,98.525 10.557,98.067 10.758,98.067 v1(10.85,97.975)
  L4 w0.152: v1(12.575,106.85) 10.968,105.243 10.968,98.306 10.942,98.28 10.942,98.067 v1(10.85,97.975) 11.925,96.9 11.925,95.122 v1(17.622,89.425)
CHRG_N: D29.4 U10.9 | length 69.6
  L1 w0.203: v1(49.681,65.051) 49.71,65.08 51.295,65.08 51.452,64.923 U10.9@51.818,64.923
  L3 w0.254: v1(45.3,2.42) 45.3,2.974 50.089,7.763 50.089,9.075 49.85,9.314 49.85,29.75 49.163,30.437 49.163,34.519 49.9,35.256 49.9,42.789 49.784,42.905 49.784,45.172 49.2,45.756 49.2,54.008 50.35,55.158 50.35,61.833 49.73,62.453 49.73,65.002 v1(49.681,65.051)
  L6 w0.381: D29.4@45,1.5 45.3,1.8 v1(45.3,2.42)
CHRG_OUT: C57.1 C58.1 R43.2 R124.2 SW1.2 TP45.1 U10.10 U10.11 | length 77
  L1 w0.203: TP45.1@41.859,12.1 41.897,12.063 45.193,12.063 v1(45.231,12.025) R124.2@45.904,12.025 ; v1(48.416,64.257) 48.32,64.353 48.32,65.27 48.675,65.625 51.1,65.625 R43.2@51.965,66.49
  L1 w0.254: C58.1@50.121,63.94 C58.1@50.138,63.923 ; U10.11@51.818,63.923 50.94,63.923 C57.1@50.94,63.94 50.94,64.071 51.292,64.423 U10.10@51.818,64.423
  L1 w0.508: v1(47.73,64.283) 47.756,64.257 v1(48.416,64.257) 48.733,63.94 C58.1@50.121,63.94 C57.1@50.94,63.94
  L3 w0.203: v1(45.231,12.025) 49.05,12.025
  L3 w0.889: 46.575,48.81 46.364,49.021 ; v1(48.416,64.257) 48.406,64.247 48.406,64.231 47.73,64.231 46.364,62.865 46.364,49.021 ; SW1.2@49,8.5 49.05,8.55 49.05,12.025 49.05,29.475 48.416,30.109 48.416,33.275 46.573,35.118 46.573,48.809 46.364,49.017 46.364,49.021
CTS0: TP26.1 U9.12 U13.H1 | length 12
  L1 w0.152: TP26.1@2,68.25 2,67.677 1.171,66.848 1.171,65.815 2.904,64.083 2.904,63.728 3.224,63.408 3.676,63.408 3.873,63.604 4.932,63.604 ; U9.12@5.375,64.908 5.375,64.583 5.229,64.436 5.229,64.363 4.932,64.066 4.932,63.604 ; U13.H1@6.4,61.95 6.4,62.941 6.041,63.3 5.334,63.3 5.182,63.452 5.084,63.452 4.932,63.604
CTS4: TP17.1 U5.13 U13.G1 | length 41.2
  L1 w0.152: v1(3.348,72.6) 4.048,73.3 5.05,73.3 TP17.1@6,74.25 ; U13.G1@7.5,61.95 7.7,62.15 7.7,64.126 7.859,64.285 v1(7.835,64.31) ; U5.13@23.1,80.975 23.146,80.929 23.146,80.389 23.304,80.231 23.304,79.796 v1(23.396,79.704)
  L3 w0.152: v1(3.348,72.6) 3.3,72.6 2.949,72.249 2.949,70.894 4.325,69.518 v1(6.011,69.518) 6.011,66.134 v1(7.835,64.31)
  L4 w0.152: v1(6.011,69.518) 6.011,70.202 9.793,73.984 9.793,74.114 13.576,77.897 17.132,77.897 17.222,77.987 18.8,77.987 18.963,78.15 20.67,78.15 21.02,78.5 22.825,78.5 23.406,79.081 23.406,79.694 v1(23.396,79.704)
CTS6: U13.H8 U15.14 | length 35.5
  L1 w0.152: v1(5.601,51.175) 6.095,51.669 6.095,52.371 5.85,52.616 5.85,53.7 U13.H8@6.4,54.25 ; U15.14@33.286,57.242 33.335,57.193 33.335,56.498 v1(33.404,56.43)
  L4 w0.152: v1(5.601,51.175) 6.095,51.669 6.095,52.789 7.551,54.245 12.576,54.245 13.949,55.618 31.368,55.618 31.788,56.038 31.788,56.329 32.209,56.75 33.013,56.75 33.334,56.43 v1(33.404,56.43)
DSR2: R59.2 U6.38 U14.A1 | length 14.8
  L1 w0.152: U6.38@33.664,72.158 33.914,72.158 34.408,72.652 34.408,72.873 v1(34.5,72.965) ; v1(37.138,66.588) 36.739,66.189 36.739,65.705 37.214,65.231 37.784,65.231 37.9,65.347 38.556,65.347 39.079,64.824 R59.2@39.079,64.171 ; R59.2@39.075,64.175 R59.2@39.079,64.171 ; U14.A1@39.079,63.175 R59.2@39.079,64.171
  L5 w0.152: v1(34.5,72.965) 35.439,72.965 36.391,72.012 36.391,67.335 v1(37.138,66.588)
DSR6: R63.2 U13.H7 U16.A2 | length 47.2
  L1 w0.152: U13.H7@6.4,55.35 6.421,55.371 v1(6.421,56) ; v1(38.737,55.723) 38.737,55.816 39.065,56.144 R63.2@39.065,58.296 39.066,58.298 U16.A2@39.066,59.081
  L3 w0.152: v1(6.421,56) 8.95,53.471 8.95,49.824 9,49.774 v1(9,49.769) ; v1(37.19,50.212) 38.737,51.759 v1(38.737,55.723)
  L4 w0.152: v1(9,49.769) 9.241,50.011 11.587,50.011 11.675,50.098 12.921,50.098 14.09,48.929 17.054,48.929 17.725,49.6 18.37,49.6 19.248,50.478 36.925,50.478 v1(37.19,50.212)
DTR2: U6.37 U14.A2 | length 13.9
  L1 w0.152: U6.37@33.664,71.658 33.914,71.658 34.31,72.054 34.652,72.054 35.017,72.42 v1(35.058,72.42) ; v1(37.342,65.839) 38.459,65.839 39.563,64.735 39.563,63.842 39.579,63.826 U14.A2@39.579,63.175
  L5 w0.152: v1(35.058,72.42) 35.101,72.377 35.604,72.377 36.112,71.869 36.112,66.878 36.923,66.068 36.983,66.068 37.212,65.839 v1(37.342,65.839)
DTR6: U13.G8 U16.A1 | length 39.5
  L1 w0.152: v1(6.946,52.368) 6.946,53.696 U13.G8@7.5,54.25 ; v1(39.499,55.7) 39.549,55.75 39.549,59.063 U16.A1@39.566,59.081
  L4 w0.152: v1(6.946,52.368) 6.946,52.371 8.211,53.636 12.829,53.636 14.252,55.059 37.145,55.059 37.289,55.202 39.001,55.202 v1(39.499,55.7)
GAUGE_OUT: R50.2 TP52.1 U11.A1 U13.A2 U35.A2 | length 67.1
  L1 w0.15: v1(57.86,67.428) 57.86,67.297 57.992,67.165 57.992,66.94 U11.A1@58.01,66.922
  L1 w0.152: U13.A2@14.1,60.85 14.825,61.575 15.114,61.575 v1(15.154,61.535) ; v1@15.139,61.575 15.342,61.575 15.487,61.72 R50.2@15.842,61.72 ; TP52.1@43.5,59.25 43.502,59.248 43.502,58.052 v1(43.505,58.05) ; 58.754,58.291 58.754,57.859 59.059,57.554 59.491,57.554 59.69,57.753 59.713,57.753 60.472,58.512 60.472,58.9 60.038,59.334 60.038,60.034 U35.A2@59.43,60.642 ; 58.755,58.291 58.755,58.613 v1(58.847,58.706)
  L4 w0.152: v1(15.154,61.535) 16.035,61.535 18.062,59.508 29.058,59.508 29.303,59.753 29.756,59.753 30.11,59.398 30.11,59.268 30.686,58.692 35.312,58.692 36.245,57.76 v1@43.525,57.76 ; v1(43.505,58.05) 43.525,58.03 v1@43.525,57.76 ; v1(57.86,67.428) 57.904,67.428 59.133,66.199 59.133,59.036 58.864,58.767 v1@58.864,58.7 ; v1(58.847,58.706) 58.822,58.706 58.151,58.035 52.049,58.035 49.755,60.329 48.579,60.329 46.01,57.76 v1@43.525,57.76